# Altium PCB PCB_Template.PcbDoc (part 3 of 6) (continued)
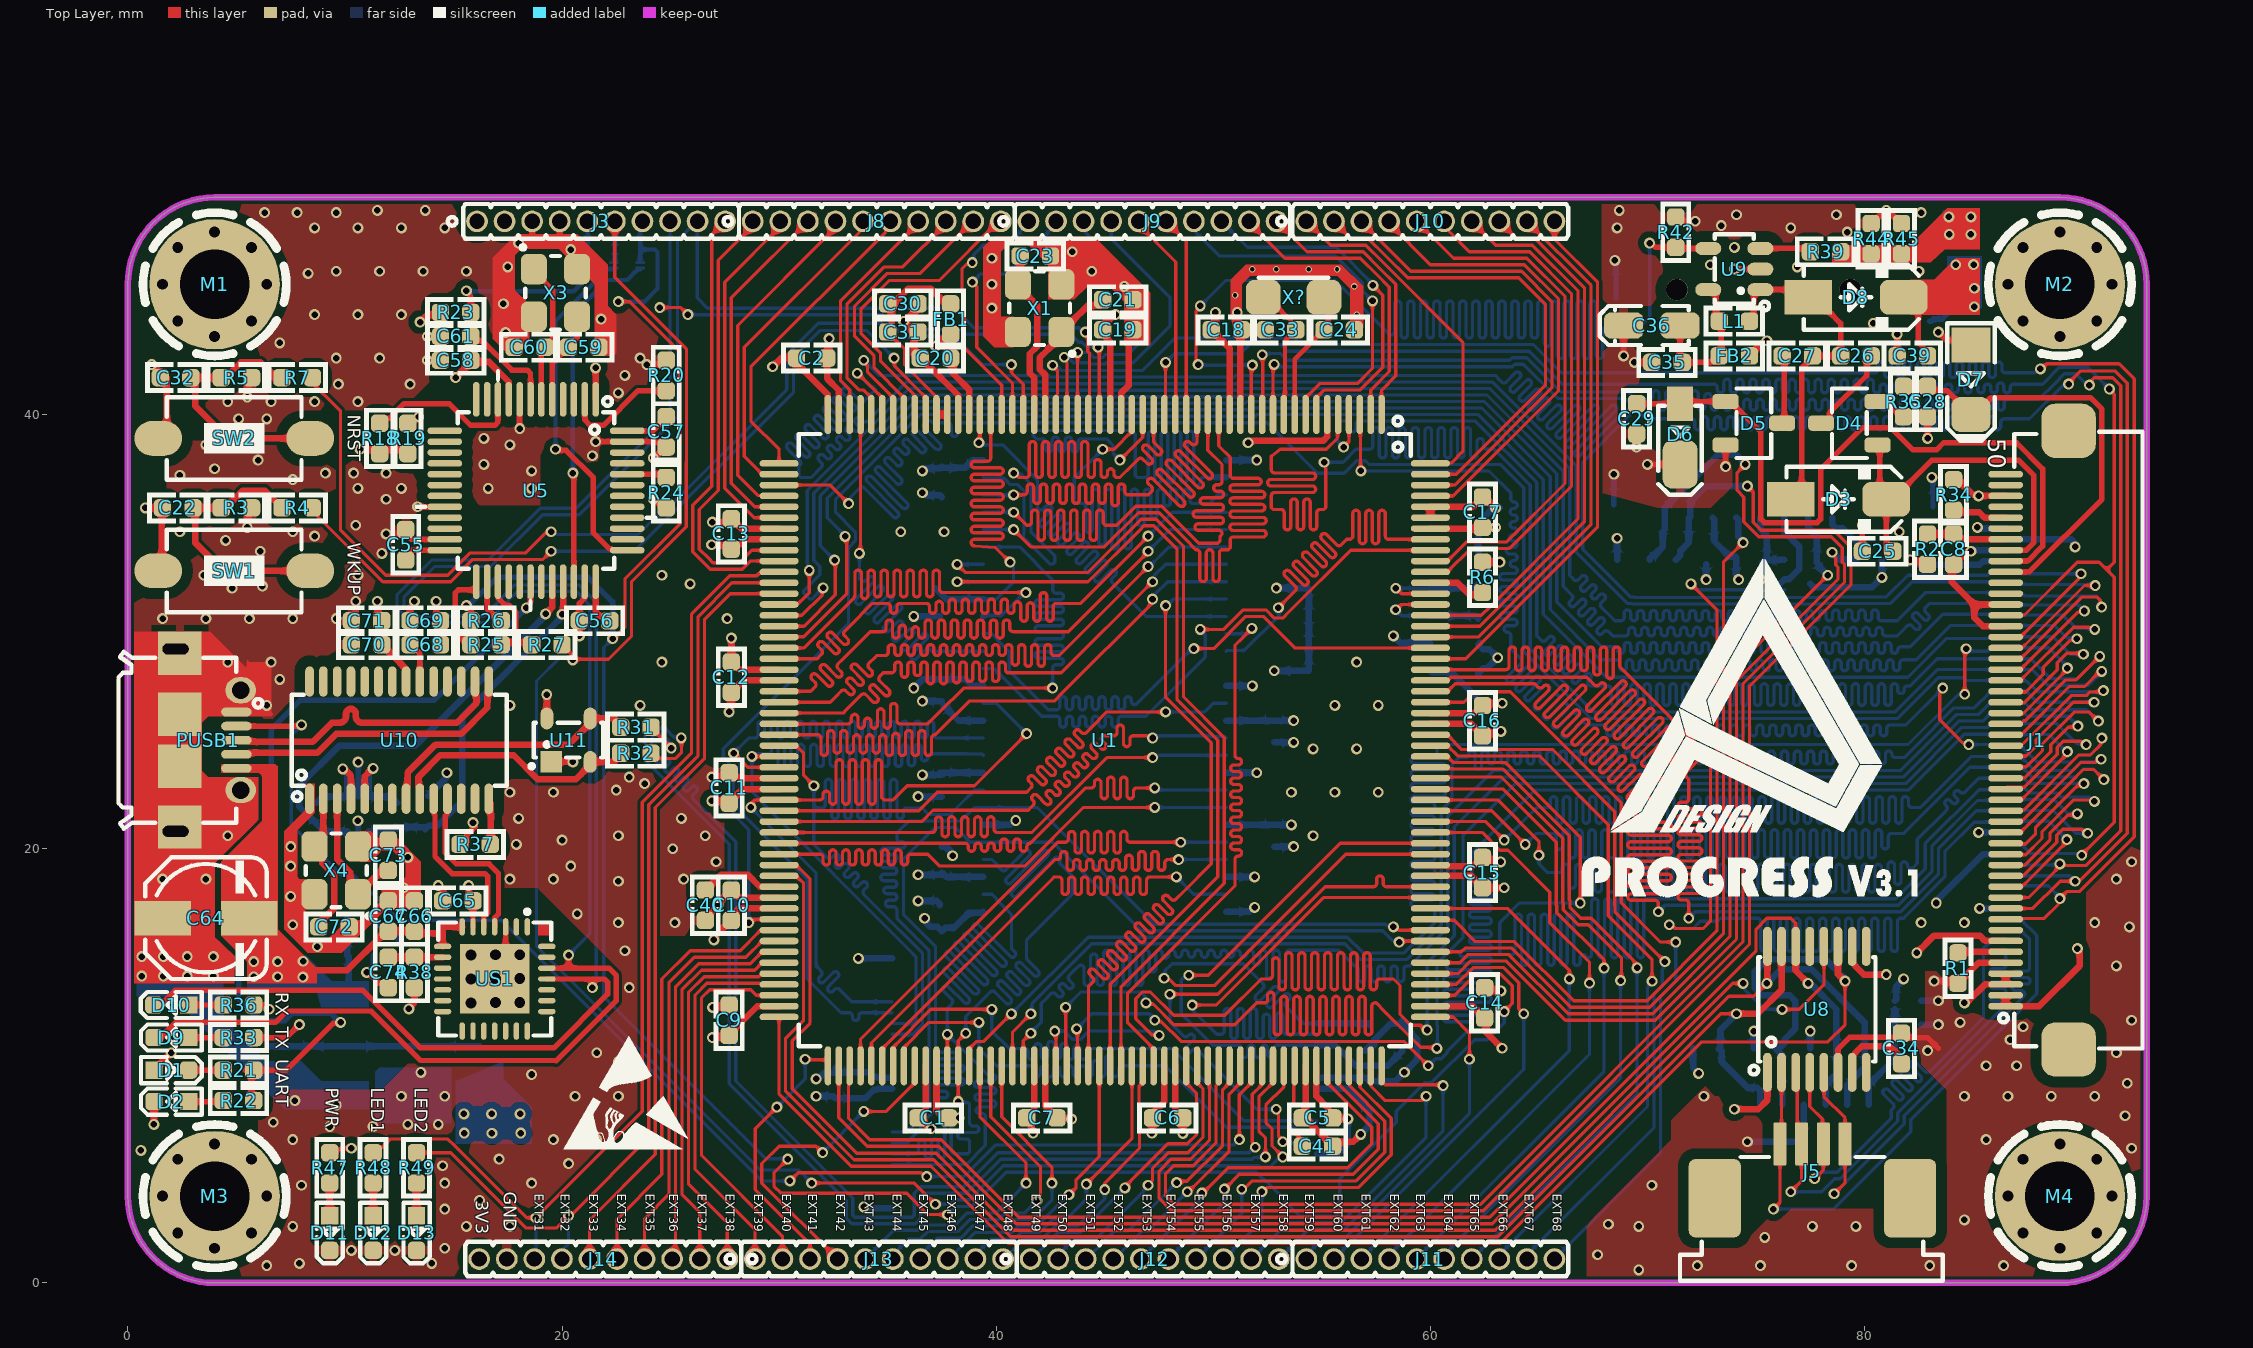
[diagram p0: Top Layer view]
## Nets (pads, with @x,y where several pads share a name; then routed paths per layer and width w, separated by ;. In a path a pad name is that pad's centre, name@x,y a point inside that pad or via, vN(x,y) a via of type N, cw(c..) or ccw(c..) an arc to the next point about the centre after c; other vN are vias at no path point) (continued)
  Bottom Layer w0.15: v1(63.4,20.4) 64.9,21.9 65.3,21.9 65.375,21.9 ccw(c65.375,22.05) 65.525,22.05 65.525,22.25 cw(c65.675,22.25) 65.825,22.25 65.825,21.322 ccw(c65.975,21.322) 66.125,21.322 66.125,22.25 cw(c66.275,22.25) 66.425,22.25 66.425,21.322 ccw(c66.575,21.322) 66.725,21.322 66.725,22.25 cw(c66.875,22.25) 67.025,22.25 67.025,21.322 ccw(c67.175,21.322) 67.325,21.322 67.325,22.25 cw(c67.475,22.25) 67.625,22.25 67.625,21.322 ccw(c67.775,21.322) 67.925,21.322 67.925,22.25 cw(c68.075,22.25) 68.225,22.25 68.225,21.322 ccw(c68.375,21.322) 68.525,21.322 68.525,22.25 cw(c68.675,22.25) 68.825,22.25 68.825,21.322 ccw(c68.975,21.322) 69.125,21.322 69.125,22.25 cw(c69.275,22.25) 69.425,22.25 69.425,21.322 ccw(c69.575,21.322) 69.725,21.322 69.725,22.25 cw(c69.875,22.25) 70.025,22.25 70.025,21.322 ccw(c70.175,21.322) 70.325,21.322 70.325,22.25 cw(c70.475,22.25) 70.625,22.25 70.625,21.322 ccw(c70.775,21.322) 70.925,21.322 70.925,22.25 cw(c71.075,22.25) 71.225,22.25 71.225,21.322 ccw(c71.375,21.322) 71.525,21.322 71.525,22.25 cw(c71.675,22.25) 71.825,22.25 71.825,21.322 ccw(c71.975,21.322) 72.125,21.322 72.125,22.25 cw(c72.275,22.25) 72.425,22.25 72.425,21.322 ccw(c72.575,21.322) 72.725,21.322 72.725,22.25 cw(c72.875,22.25) 73.025,22.25 73.025,21.322 ccw(c73.175,21.322) 73.325,21.322 73.325,22.25 cw(c73.475,22.25) 73.625,22.25 73.625,21.322 ccw(c73.775,21.322) 73.925,21.322 73.925,22.25 cw(c74.075,22.25) 74.225,22.25 74.225,21.322 ccw(c74.375,21.322) 74.525,21.322 74.525,22.25 cw(c74.675,22.25) 74.825,22.25 74.825,21.322 ccw(c74.975,21.322) 75.125,21.322 75.125,22.25 cw(c75.275,22.25) 75.425,22.25 75.425,21.322 ccw(c75.575,21.322) 75.725,21.322 75.725,22.25 cw(c75.875,22.25) 76.025,22.25 76.025,21.322 ccw(c76.175,21.322) 76.325,21.322 76.325,22.25 cw(c76.475,22.25) 76.625,22.25 76.625,21.322 ccw(c76.775,21.322) 76.925,21.322 76.925,22.25 cw(c77.075,22.25) 77.225,22.25 77.225,21.322 ccw(c77.375,21.322) 77.525,21.322 77.525,22.25 cw(c77.675,22.25) 77.825,22.25 77.825,21.322 ccw(c77.975,21.322) 78.125,21.322 78.125,22.25 cw(c78.275,22.25) 78.425,22.25 78.425,21.322 ccw(c78.575,21.322) 78.725,21.322 78.725,22.25 cw(c78.875,22.25) 79.025,22.25 79.025,21.322 ccw(c79.175,21.322) 79.325,21.322 79.325,22.25 cw(c79.475,22.25) 79.625,22.25 79.625,21.322 ccw(c79.775,21.322) 79.925,21.322 79.925,22.25 cw(c80.075,22.25) 80.225,22.25 80.225,21.322 ccw(c80.375,21.322) 80.525,21.322 80.525,22.25 cw(c80.675,22.25) 80.825,22.25 80.825,21.322 ccw(c80.975,21.322) 81.125,21.322 81.125,22.25 cw(c81.275,22.25) 81.425,22.25 81.425,21.322 ccw(c81.575,21.322) 81.725,21.322 81.725,22.25 cw(c81.875,22.25) 82.025,22.25 82.025,22.05 ccw(c82.175,22.05) 82.175,21.9 82.576,21.9 82.7,22.024 82.739,22.063 84.738,24.062 84.926,24.25 J2.22@86.5,24.25 ; J2.22@87.181,24.25 87.831,23.6 89.571,23.6 89.981,24.01 90.635,24.01 90.676,24.051 90.831,24.051 v1(90.897,24.118)
LCD_B2: J1.17 J2.23 U1.176 | length 98.8
  Top Layer w0.15: U1.176@60,21.75 62.822,21.75 v1(64.372,20.2) ; J1.17@86.471,20.721 87.152,20.721 89.425,22.995 89.425,22.997 90.078,23.65 90.561,23.65 v1(91.024,23.187)
  Bottom Layer w0.15: v1(64.372,20.2) 64.872,20.7 65.27,20.7 65.645,20.7 cw(c65.645,20.55) 65.795,20.55 65.795,20.118 ccw(c65.945,20.118) 66.095,20.118 66.095,20.727 cw(c66.245,20.727) 66.395,20.727 66.395,19.722 ccw(c66.545,19.722) 66.695,19.722 66.695,20.727 cw(c66.845,20.727) 66.995,20.727 66.995,19.722 ccw(c67.145,19.722) 67.295,19.722 67.295,20.727 cw(c67.445,20.727) 67.595,20.727 67.595,19.722 ccw(c67.745,19.722) 67.895,19.722 67.895,20.727 cw(c68.045,20.727) 68.195,20.727 68.195,19.722 ccw(c68.345,19.722) 68.495,19.722 68.495,20.727 cw(c68.645,20.727) 68.795,20.727 68.795,19.722 ccw(c68.945,19.722) 69.095,19.722 69.095,20.727 cw(c69.245,20.727) 69.395,20.727 69.395,19.722 ccw(c69.545,19.722) 69.695,19.722 69.695,20.727 cw(c69.845,20.727) 69.995,20.727 69.995,19.722 ccw(c70.145,19.722) 70.295,19.722 70.295,20.727 cw(c70.445,20.727) 70.595,20.727 70.595,19.722 ccw(c70.745,19.722) 70.895,19.722 70.895,20.727 cw(c71.045,20.727) 71.195,20.727 71.195,19.722 ccw(c71.345,19.722) 71.495,19.722 71.495,20.727 cw(c71.645,20.727) 71.795,20.727 71.795,19.722 ccw(c71.945,19.722) 72.095,19.722 72.095,20.727 cw(c72.245,20.727) 72.395,20.727 72.395,19.722 ccw(c72.545,19.722) 72.695,19.722 72.695,20.727 cw(c72.845,20.727) 72.995,20.727 72.995,19.722 ccw(c73.145,19.722) 73.295,19.722 73.295,20.727 cw(c73.445,20.727) 73.595,20.727 73.595,19.722 ccw(c73.745,19.722) 73.895,19.722 73.895,20.727 cw(c74.045,20.727) 74.195,20.727 74.195,19.722 ccw(c74.345,19.722) 74.495,19.722 74.495,20.727 cw(c74.645,20.727) 74.795,20.727 74.795,19.722 ccw(c74.945,19.722) 75.095,19.722 75.095,20.727 cw(c75.245,20.727) 75.395,20.727 75.395,19.722 ccw(c75.545,19.722) 75.695,19.722 75.695,20.727 cw(c75.845,20.727) 75.995,20.727 75.995,19.722 ccw(c76.145,19.722) 76.295,19.722 76.295,20.727 cw(c76.445,20.727) 76.595,20.727 76.595,19.722 ccw(c76.745,19.722) 76.895,19.722 76.895,20.727 cw(c77.045,20.727) 77.195,20.727 77.195,19.722 ccw(c77.345,19.722) 77.495,19.722 77.495,20.727 cw(c77.645,20.727) 77.795,20.727 77.795,19.722 ccw(c77.945,19.722) 78.095,19.722 78.095,20.727 cw(c78.245,20.727) 78.395,20.727 78.395,19.722 ccw(c78.545,19.722) 78.695,19.722 78.695,20.727 cw(c78.845,20.727) 78.995,20.727 78.995,19.722 ccw(c79.145,19.722) 79.295,19.722 79.295,20.727 cw(c79.445,20.727) 79.595,20.727 79.595,19.722 ccw(c79.745,19.722) 79.895,19.722 79.895,20.727 cw(c80.045,20.727) 80.195,20.727 80.195,19.722 ccw(c80.345,19.722) 80.495,19.722 80.495,20.727 cw(c80.645,20.727) 80.795,20.727 80.795,20.142 ccw(c80.945,20.142) 81.095,20.142 81.095,20.55 cw(c81.245,20.55) 81.245,20.7 81.8,20.7 81.9,20.8 84.85,23.75 J2.23@86.5,23.75 ; J2.23@86.529,23.721 87.285,23.721 87.606,23.4 ; 87.607,23.4 87.707,23.3 89.695,23.3 90.062,23.667 90.545,23.667 v1(91.024,23.187)
LCD_B3: J1.16 J2.24 U1.177 | length 99.8
  Top Layer w0.15: U1.177@60,22.25 60.003,22.246 63.093,22.246 65,20.339 v1(65,19.7) ; J1.16@86.5,20.25 86.471,20.221 87.421,20.221 87.871,20.671 87.871,20.971 v1@89.871,22.971
  Bottom Layer w0.15: v1(65,19.7) 65,19.301 65.401,18.9 65.6,18.9 65.928,18.9 ccw(c65.928,19.05) 66.078,19.05 66.078,19.141 cw(c66.228,19.141) 66.378,19.141 66.378,18.325 ccw(c66.528,18.325) 66.678,18.325 66.678,19.131 cw(c66.828,19.131) 66.978,19.131 66.978,18.15 ccw(c67.128,18.15) 67.278,18.15 67.278,19.131 cw(c67.428,19.131) 67.578,19.131 67.578,18.15 ccw(c67.728,18.15) 67.878,18.15 67.878,19.131 cw(c68.028,19.131) 68.178,19.131 68.178,18.15 ccw(c68.328,18.15) 68.478,18.15 68.478,19.131 cw(c68.628,19.131) 68.778,19.131 68.778,18.15 ccw(c68.928,18.15) 69.078,18.15 69.078,19.131 cw(c69.228,19.131) 69.378,19.131 69.378,18.15 ccw(c69.528,18.15) 69.678,18.15 69.678,19.131 cw(c69.828,19.131) 69.978,19.131 69.978,18.15 ccw(c70.128,18.15) 70.278,18.15 70.278,19.131 cw(c70.428,19.131) 70.578,19.131 70.578,18.15 ccw(c70.728,18.15) 70.878,18.15 70.878,19.131 cw(c71.028,19.131) 71.178,19.131 71.178,18.15 ccw(c71.328,18.15) 71.478,18.15 71.478,19.131 cw(c71.628,19.131) 71.778,19.131 71.778,18.15 ccw(c71.928,18.15) 72.078,18.15 72.078,19.131 cw(c72.228,19.131) 72.378,19.131 72.378,18.15 ccw(c72.528,18.15) 72.678,18.15 72.678,19.131 cw(c72.828,19.131) 72.978,19.131 72.978,18.15 ccw(c73.128,18.15) 73.278,18.15 73.278,19.131 cw(c73.428,19.131) 73.578,19.131 73.578,18.15 ccw(c73.728,18.15) 73.878,18.15 73.878,19.131 cw(c74.028,19.131) 74.178,19.131 74.178,18.15 ccw(c74.328,18.15) 74.478,18.15 74.478,19.131 cw(c74.628,19.131) 74.778,19.131 74.778,18.15 ccw(c74.928,18.15) 75.078,18.15 75.078,19.131 cw(c75.228,19.131) 75.378,19.131 75.378,18.15 ccw(c75.528,18.15) 75.678,18.15 75.678,19.131 cw(c75.828,19.131) 75.978,19.131 75.978,18.15 ccw(c76.128,18.15) 76.278,18.15 76.278,19.131 cw(c76.428,19.131) 76.578,19.131 76.578,18.15 ccw(c76.728,18.15) 76.878,18.15 76.878,19.131 cw(c77.028,19.131) 77.178,19.131 77.178,18.15 ccw(c77.328,18.15) 77.478,18.15 77.478,19.131 cw(c77.628,19.131) 77.778,19.131 77.778,18.15 ccw(c77.928,18.15) 78.078,18.15 78.078,19.131 cw(c78.228,19.131) 78.378,19.131 78.378,18.15 ccw(c78.528,18.15) 78.678,18.15 78.678,19.131 cw(c78.828,19.131) 78.978,19.131 78.978,18.15 ccw(c79.128,18.15) 79.278,18.15 79.278,19.131 cw(c79.428,19.131) 79.578,19.131 79.578,18.15 ccw(c79.728,18.15) 79.878,18.15 79.878,19.131 cw(c80.028,19.131) 80.178,19.131 80.178,18.15 ccw(c80.328,18.15) 80.478,18.15 80.478,19.131 cw(c80.628,19.131) 80.778,19.131 80.778,18.15 ccw(c80.928,18.15) 81.078,18.15 81.078,19.25 cw(c81.228,19.25) 81.378,19.25 81.378,18.503 ccw(c81.528,18.503) 81.678,18.503 81.678,19.25 cw(c81.828,19.25) 81.978,19.25 81.978,19.24 ccw(c82.128,19.24) 82.234,19.134 82.428,19.328 82.428,20.428 83.709,21.709 83.762,21.762 ccw(c83.656,21.868) 83.762,21.974 83.736,22 cw(c83.842,22.106) 83.736,22.212 cw(c83.842,22.106) 83.948,22.212 84.039,22.121 ccw(c84.146,22.227) 84.252,22.121 ccw(c84.146,22.227) 84.252,22.333 84.16,22.424 cw(c84.266,22.53) 84.16,22.636 cw(c84.266,22.53) 84.373,22.636 84.398,22.61 ccw(c84.504,22.716) 84.61,22.61 85,23 85.25,23.25 J2.24@86.5,23.25 ; J2.24@86.529,23.221 87.285,23.221 87.314,23.193 87.389,23.193 87.519,23.063 87.583,23 89.819,23 89.832,23.013 v1@89.887,23.013
  other v1: 90.1,23
LCD_B4: J1.15 J2.25 U1.181 | length 98.4
  Top Layer w0.15: U1.181@60,24.25 60.78,24.25 61.055,23.975 63.448,23.975 66.9,20.523 v1(66.9,17.5) ; J1.15@86.471,19.721 87.421,19.721 88.171,20.471 88.171,20.792 89.625,22.246 90.327,22.246 90.328,22.245 90.523,22.245 v1(90.59,22.178)
  Bottom Layer w0.15: v1(66.9,17.5) 64.1,17.5 63.2,16.6 63.2,15.215 63.288,15.127 63.5,15.127 63.75,15.127 ccw(c63.75,15.277) 63.9,15.277 63.9,16.838 cw(c64.05,16.838) 64.2,16.838 64.2,14.777 ccw(c64.35,14.777) 64.5,14.777 64.5,16.838 cw(c64.65,16.838) 64.8,16.838 64.8,14.777 ccw(c64.95,14.777) 65.1,14.777 65.1,16.838 cw(c65.25,16.838) 65.4,16.838 65.4,14.777 ccw(c65.55,14.777) 65.7,14.777 65.7,16.838 cw(c65.85,16.838) 66,16.838 66,14.777 ccw(c66.15,14.777) 66.3,14.777 66.3,16.838 cw(c66.45,16.838) 66.6,16.838 66.6,14.777 ccw(c66.75,14.777) 66.9,14.777 66.9,14.977 cw(c67.05,14.977) 67.05,15.127 67.125,15.127 ccw(c67.275,15.127) 67.425,15.127 67.425,17.55 cw(c67.575,17.55) 67.725,17.55 67.725,15.127 ccw(c67.875,15.127) 68.025,15.127 68.025,17.55 cw(c68.175,17.55) 68.325,17.55 68.325,15.127 ccw(c68.475,15.127) 68.625,15.127 68.625,17.55 cw(c68.775,17.55) 68.925,17.55 68.925,15.127 ccw(c69.075,15.127) 69.225,15.127 69.225,17.55 cw(c69.375,17.55) 69.525,17.55 69.525,15.127 ccw(c69.675,15.127) 69.825,15.127 69.825,17.55 cw(c69.975,17.55) 69.975,17.7 70.6,17.7 81.427,17.7 82.8,19.073 82.8,20.245 85.277,22.721 86.471,22.721 J2.25@86.5,22.75 ; J2.25@86.5,22.763 87.396,22.763 87.596,22.563 88.862,22.563 89.045,22.38 90.327,22.38 90.529,22.178 v1(90.59,22.178)
LCD_B5: J1.14 J2.26 U1.187 | length 98.5
  Top Layer w0.15: U1.187@60,27.25 60.787,27.25 61.138,27.6 64.8,27.6 64.9,27.5 64.953,27.447 ccw(c65.059,27.553) 65.165,27.447 65.212,27.494 cw(c65.318,27.388) 65.424,27.494 cw(c65.318,27.388) 65.424,27.282 64.862,26.72 ccw(c64.969,26.614) 64.862,26.508 ccw(c64.969,26.614) 65.075,26.508 66.061,27.494 cw(c66.167,27.388) 66.273,27.494 cw(c66.167,27.388) 66.273,27.282 65.287,26.296 ccw(c65.393,26.19) 65.287,26.084 ccw(c65.393,26.19) 65.499,26.084 66.909,27.494 cw(c67.015,27.388) 67.121,27.494 cw(c67.015,27.388) 67.121,27.282 65.711,25.871 ccw(c65.817,25.765) 65.711,25.659 ccw(c65.817,25.765) 65.923,25.659 66.619,26.355 cw(c66.725,26.249) 66.831,26.355 cw(c66.725,26.249) 66.831,26.143 66.135,25.447 ccw(c66.241,25.341) 66.135,25.235 ccw(c66.241,25.341) 66.347,25.235 67.044,25.931 cw(c67.15,25.825) 67.256,25.931 cw(c67.15,25.825) 67.256,25.719 66.56,25.023 ccw(c66.666,24.917) 66.56,24.811 ccw(c66.666,24.917) 66.772,24.811 67.468,25.507 cw(c67.574,25.401) 67.68,25.507 cw(c67.574,25.401) 67.68,25.295 66.984,24.599 ccw(c67.09,24.493) 66.984,24.387 ccw(c67.09,24.493) 67.196,24.387 67.892,25.083 cw(c67.998,24.977) 68.104,25.083 cw(c67.998,24.977) 68.104,24.871 67.408,24.174 ccw(c67.514,24.068) 67.408,23.962 ccw(c67.514,24.068) 67.62,23.962 68.316,24.658 cw(c68.422,24.552) 68.528,24.658 cw(c68.422,24.552) 68.528,24.446 67.832,23.75 ccw(c67.938,23.644) 67.832,23.538 ccw(c67.938,23.644) 68.044,23.538 68.741,24.234 cw(c68.847,24.128) 68.953,24.234 cw(c68.847,24.128) 68.953,24.022 68.257,23.326 ccw(c68.363,23.22) 68.257,23.114 ccw(c68.363,23.22) 68.469,23.114 69.165,23.81 cw(c69.271,23.704) 69.377,23.81 cw(c69.271,23.704) 69.377,23.598 68.681,22.902 ccw(c68.787,22.796) 68.681,22.689 ccw(c68.787,22.796) 68.893,22.689 69.589,23.386 cw(c69.695,23.28) 69.801,23.386 cw(c69.695,23.28) 69.801,23.174 69.105,22.477 ccw(c69.211,22.371) 69.105,22.265 ccw(c69.211,22.371) 69.317,22.265 70.013,22.961 cw(c70.119,22.855) 70.226,22.961 cw(c70.119,22.855) 70.226,22.749 70.044,22.568 ccw(c70.15,22.462) 70.044,22.356 70.407,21.993 70.453,21.947 70.5,21.9 70.5,21.675 cw(c70.35,21.675) 70.35,21.525 69.239,21.525 ccw(c69.239,21.375) 69.239,21.225 70.95,21.225 cw(c70.95,21.075) 70.95,20.925 69.239,20.925 ccw(c69.239,20.775) 69.239,20.625 70.95,20.625 cw(c70.95,20.475) 70.95,20.325 69.239,20.325 ccw(c69.239,20.175) 69.239,20.025 70.95,20.025 cw(c70.95,19.875) 70.95,19.725 69.239,19.725 ccw(c69.239,19.575) 69.239,19.425 70.95,19.425 cw(c70.95,19.275) 70.95,19.125 69.239,19.125 ccw(c69.239,18.975) 69.239,18.825 70.95,18.825 cw(c70.95,18.675) 70.95,18.525 69.239,18.525 ccw(c69.239,18.375) 69.239,18.225 70.95,18.225 cw(c70.95,18.075) 70.95,17.925 69.239,17.925 ccw(c69.239,17.775) 69.239,17.625 70.35,17.625 cw(c70.35,17.475) 70.5,17.475 70.5,17.4 v1(70.5,17.1) ; J1.14@86.474,19.224 87.349,19.224 88.546,20.422 88.546,20.742 89.354,21.55 v1@89.75,21.55
  Bottom Layer w0.15: v1(70.5,17.1) 70.8,17.4 81.551,17.4 83.1,18.949 83.1,20.121 85.201,22.221 86.471,22.221 J2.26@86.5,22.25 ; J2.26@86.5,22.263 88.737,22.263 89.387,21.613 v1@89.787,21.613
  other v1: 89.8,21.6
LCD_B6: J1.13 J2.27 U1.188 | length 98.5
  Top Layer w0.15: U1.188@60,27.75 60.791,27.75 60.941,27.9 67.2,27.9 67.5,27.6 67.553,27.547 ccw(c67.659,27.653) 67.765,27.547 67.814,27.596 cw(c67.921,27.49) 68.027,27.596 cw(c67.921,27.49) 68.027,27.384 67.229,26.587 ccw(c67.335,26.481) 67.229,26.375 ccw(c67.335,26.481) 67.441,26.375 68.765,27.698 cw(c68.871,27.592) 68.977,27.698 cw(c68.871,27.592) 68.977,27.486 67.653,26.162 ccw(c67.76,26.056) 67.653,25.95 ccw(c67.76,26.056) 67.866,25.95 69.189,27.274 cw(c69.296,27.168) 69.402,27.274 cw(c69.296,27.168) 69.402,27.062 68.078,25.738 ccw(c68.184,25.632) 68.078,25.526 ccw(c68.184,25.632) 68.29,25.526 69.614,26.85 cw(c69.72,26.744) 69.826,26.85 cw(c69.72,26.744) 69.826,26.638 68.502,25.314 ccw(c68.608,25.208) 68.502,25.102 ccw(c68.608,25.208) 68.714,25.102 70.038,26.426 cw(c70.144,26.32) 70.25,26.426 cw(c70.144,26.32) 70.25,26.214 68.926,24.89 ccw(c69.032,24.784) 68.926,24.678 ccw(c69.032,24.784) 69.138,24.678 70.462,26.001 cw(c70.568,25.895) 70.674,26.001 cw(c70.568,25.895) 70.674,25.789 69.351,24.465 ccw(c69.457,24.359) 69.351,24.253 ccw(c69.457,24.359) 69.563,24.253 70.886,25.577 cw(c70.993,25.471) 71.099,25.577 cw(c70.993,25.471) 71.099,25.365 69.775,24.041 ccw(c69.881,23.935) 69.775,23.829 ccw(c69.881,23.935) 69.987,23.829 71.311,25.153 cw(c71.417,25.047) 71.523,25.153 cw(c71.417,25.047) 71.523,24.941 70.199,23.617 ccw(c70.305,23.511) 70.199,23.405 ccw(c70.305,23.511) 70.411,23.405 71.735,24.729 cw(c71.841,24.623) 71.947,24.729 cw(c71.841,24.623) 71.947,24.516 70.623,23.193 ccw(c70.729,23.087) 70.623,22.98 ccw(c70.729,23.087) 70.835,22.98 72.159,24.304 cw(c72.265,24.198) 72.371,24.304 cw(c72.265,24.198) 72.371,24.092 71.796,23.516 ccw(c71.902,23.41) 71.796,23.304 71.9,23.2 71.9,22.8 71.9,22.289 cw(c71.75,22.289) 71.75,22.139 71.55,22.139 ccw(c71.55,21.989) 71.55,21.839 72.359,21.839 cw(c72.359,21.689) 72.359,21.539 71.55,21.539 ccw(c71.55,21.389) 71.55,21.239 72.359,21.239 cw(c72.359,21.089) 72.359,20.939 71.55,20.939 ccw(c71.55,20.789) 71.55,20.639 72.359,20.639 cw(c72.359,20.489) 72.359,20.339 71.55,20.339 ccw(c71.55,20.189) 71.55,20.039 72.359,20.039 cw(c72.359,19.889) 72.359,19.739 71.55,19.739 ccw(c71.55,19.589) 71.55,19.439 72.359,19.439 cw(c72.359,19.289) 72.359,19.139 71.55,19.139 ccw(c71.55,18.989) 71.55,18.839 72.359,18.839 cw(c72.359,18.689) 72.359,18.539 71.55,18.539 ccw(c71.55,18.389) 71.55,18.239 72.359,18.239 cw(c72.359,18.089) 72.359,17.939 71.55,17.939 ccw(c71.55,17.789) 71.55,17.639 71.75,17.639 cw(c71.75,17.489) 71.9,17.489 71.9,17.414 v1(71.9,16.8) ; J1.13@86.5,18.75 86.529,18.779 87.327,18.779 88.846,20.298 88.846,20.618 89.124,20.896 90.01,20.896 90.195,20.711 v1(90.273,20.711)
  Bottom Layer w0.15: v1(71.9,16.8) 72.2,17.1 81.676,17.1 83.4,18.824 83.4,19.996 85.154,21.75 J2.27@86.5,21.75 ; J2.27@86.5,21.763 88.68,21.763 89.731,20.711 v1(90.273,20.711)
LCD_B7: J1.12 J2.28 U1.189 | length 98.6
  Top Layer w0.15: U1.189@60,28.25 63.4,28.25 63.475,28.25 ccw(c63.475,28.4) 63.625,28.4 63.625,29.145 cw(c63.775,29.145) 63.925,29.145 63.925,28.35 ccw(c64.075,28.35) 64.225,28.35 64.225,29.145 cw(c64.375,29.145) 64.525,29.145 64.525,28.35 ccw(c64.675,28.35) 64.825,28.35 64.825,29.145 cw(c64.975,29.145) 65.125,29.145 65.125,28.35 ccw(c65.275,28.35) 65.425,28.35 65.425,29.145 cw(c65.575,29.145) 65.725,29.145 65.725,28.35 ccw(c65.875,28.35) 66.025,28.35 66.025,29.145 cw(c66.175,29.145) 66.325,29.145 66.325,28.35 ccw(c66.475,28.35) 66.625,28.35 66.625,29.145 cw(c66.775,29.145) 66.925,29.145 66.925,28.35 ccw(c67.075,28.35) 67.225,28.35 67.225,29.145 cw(c67.375,29.145) 67.525,29.145 67.525,28.149 ccw(c67.675,28.149) 67.825,28.149 67.825,29.145 cw(c67.975,29.145) 68.125,29.145 68.125,27.984 ccw(c68.275,27.984) 68.425,27.984 68.425,29.145 cw(c68.575,29.145) 68.725,29.145 68.725,28.437 ccw(c68.875,28.437) 68.769,28.331 69.3,27.8 72.9,24.2 72.9,16.663 72.562,16.325 71.263,16.325 71.088,16.5 v1(71,16.5) ; J1.12@86.5,18.25 87.25,18.25 89.204,20.204 89.204,20.304 v1@89.271,20.371
  Bottom Layer w0.15: v1(71,16.5) 71.088,16.5 71.263,16.325 72.097,16.325 72.426,16.654 73.217,16.654 73.363,16.8 74.694,16.8 75.069,16.8 cw(c75.069,16.65) 75.219,16.65 75.219,15.425 ccw(c75.369,15.425) 75.519,15.425 75.519,16.65 cw(c75.669,16.65) 75.819,16.65 75.819,15.425 ccw(c75.969,15.425) 76.119,15.425 76.119,16.65 cw(c76.269,16.65) 76.419,16.65 76.419,15.425 ccw(c76.569,15.425) 76.719,15.425 76.719,16.65 cw(c76.869,16.65) 77.019,16.65 77.019,15.425 ccw(c77.169,15.425) 77.319,15.425 77.319,16.65 cw(c77.469,16.65) 77.619,16.65 77.619,15.425 ccw(c77.769,15.425) 77.919,15.425 77.919,16.65 cw(c78.069,16.65) 78.219,16.65 78.219,15.425 ccw(c78.369,15.425) 78.519,15.425 78.519,16.65 cw(c78.669,16.65) 78.819,16.65 78.819,15.417 ccw(c78.969,15.417) 79.119,15.417 79.119,16.65 cw(c79.269,16.65) 79.419,16.65 79.419,15.417 ccw(c79.569,15.417) 79.719,15.417 79.719,16.65 cw(c79.869,16.65) 80.019,16.65 80.019,15.417 ccw(c80.169,15.417) 80.319,15.417 80.319,16.65 cw(c80.469,16.65) 80.619,16.65 80.619,15.417 ccw(c80.769,15.417) 80.919,15.417 80.919,16.65 cw(c81.069,16.65) 81.219,16.65 81.219,15.417 ccw(c81.369,15.417) 81.519,15.417 81.519,16.65 cw(c81.669,16.65) 81.669,16.8 81.8,16.8 81.9,16.9 83.7,18.7 83.7,19.872 85.053,21.225 86.475,21.225 J2.28@86.5,21.25 ; J2.28@86.5,21.263 88.48,21.263 v1@89.309,20.434
  other v1: 89.321,20.421
LCD_DE: J1.9 J2.34 U1.31 | length 97
  Top Layer w0.15: v1(42.6,42.269) 42.6,42.229 42.823,42.006 42.823,40.946 42.804,40.926 42.804,40.91 42.779,40.885 42.779,40.029 U1.31@42.75,40 ; J1.9@86.5,16.75 86.529,16.779 87.285,16.779 87.296,16.789 88.273,16.789 88.933,17.449 88.933,17.633 v1(89,17.7) 89,17.716 89.309,18.025 89.897,18.025 92.423,20.551 92.423,41.64 91.723,42.34 88.386,42.34 88.146,42.1 v1(88.1,42.1)
  Bottom Layer w0.15: v1(42.6,42.269) 42.667,42.202 42.825,42.202 43.003,42.023 46.735,42.023 48.24,43.528 53.231,43.528 53.235,43.525 53.744,43.525 54.044,43.225 64.738,43.225 66.038,41.925 80.4,41.925 80.475,41.925 ccw(c80.475,42.075) 80.625,42.075 80.625,42.275 cw(c80.775,42.275) 80.925,42.275 80.925,41.85 ccw(c81.075,41.85) 81.225,41.85 81.225,42.275 cw(c81.375,42.275) 81.525,42.275 81.525,41.85 ccw(c81.675,41.85) 81.825,41.85 81.825,42.275 cw(c81.975,42.275) 82.125,42.275 82.125,41.85 ccw(c82.275,41.85) 82.425,41.85 82.425,42.275 cw(c82.575,42.275) 82.725,42.275 82.725,41.85 ccw(c82.875,41.85) 83.025,41.85 83.025,42.275 cw(c83.175,42.275) 83.325,42.275 83.325,41.85 ccw(c83.475,41.85) 83.625,41.85 83.625,42.275 cw(c83.775,42.275) 83.925,42.275 83.925,41.85 ccw(c84.075,41.85) 84.225,41.85 84.225,42.275 cw(c84.375,42.275) 84.525,42.275 84.525,41.85 ccw(c84.675,41.85) 84.825,41.85 84.825,42.275 cw(c84.975,42.275) 85.125,42.275 85.125,41.85 ccw(c85.275,41.85) 85.425,41.85 85.425,42.275 cw(c85.575,42.275) 85.725,42.275 85.725,41.85 ccw(c85.875,41.85) 86.025,41.85 86.025,42.275 cw(c86.175,42.275) 86.325,42.275 86.325,42.075 ccw(c86.475,42.075) 86.475,41.925 87,41.925 87.837,41.925 88.012,42.1 v1(88.1,42.1) ; J2.34@86.5,18.25 86.529,18.279 87.285,18.279 87.296,18.29 88.472,18.29 89,17.762 v1(89,17.7)
LCD_DLCK: J1.37 J2.30 U1.21 | length 97.2
  Top Layer w0.15: U1.21@47.75,40 47.779,40.029 47.779,40.885 47.8,40.906 v1(47.8,42.4) ; J1.37@86.5,30.75 J1.37@87.18,30.75 ; J1.37@87.18,30.765 87.365,30.765 89.8,33.2 90.8,33.2 91.15,32.85 ; v1(90,19.7) 90,19.724 91.5,21.224 91.5,27.56 91.5,32.5 91.15,32.85 ; v1(91.276,41.176) 91.276,41.137 91.5,40.913 91.5,33.2 91.15,32.85
  Bottom Layer w0.15: v1(47.8,42.4) 48.2,42.8 51.243,42.8 51.671,43.228 53.107,43.228 53.415,42.921 64.555,42.921 66.076,41.4 72.688,41.4 73.063,41.4 cw(c73.063,41.25) 73.213,41.25 73.213,41.15 ccw(c73.363,41.15) 73.513,41.15 73.513,41.475 cw(c73.663,41.475) 73.813,41.475 73.813,41.15 ccw(c73.963,41.15) 74.113,41.15 74.113,41.475 cw(c74.263,41.475) 74.413,41.475 74.413,41.15 ccw(c74.563,41.15) 74.713,41.15 74.713,41.475 cw(c74.863,41.475) 75.013,41.475 75.013,41.15 ccw(c75.163,41.15) 75.313,41.15 75.313,41.475 cw(c75.463,41.475) 75.613,41.475 75.613,41.15 ccw(c75.763,41.15) 75.913,41.15 75.913,41.475 cw(c76.063,41.475) 76.213,41.475 76.213,41.15 ccw(c76.363,41.15) 76.513,41.15 76.513,41.475 cw(c76.663,41.475) 76.813,41.475 76.813,41.15 ccw(c76.963,41.15) 77.113,41.15 77.113,41.475 cw(c77.263,41.475) 77.413,41.475 77.413,41.15 ccw(c77.563,41.15) 77.713,41.15 77.713,41.475 cw(c77.863,41.475) 78.013,41.475 78.013,41.15 ccw(c78.163,41.15) 78.313,41.15 78.313,41.475 cw(c78.463,41.475) 78.613,41.475 78.613,41.15 ccw(c78.763,41.15) 78.913,41.15 78.913,41.475 cw(c79.063,41.475) 79.213,41.475 79.213,41.15 ccw(c79.363,41.15) 79.513,41.15 79.513,41.475 cw(c79.663,41.475) 79.813,41.475 79.813,41.15 ccw(c79.963,41.15) 80.113,41.15 80.113,41.475 cw(c80.263,41.475) 80.413,41.475 80.413,41.15 ccw(c80.563,41.15) 80.713,41.15 80.713,41.253 cw(c80.863,41.253) 81.013,41.253 81.013,41.15 ccw(c81.163,41.15) 81.313,41.15 81.313,41.253 cw(c81.463,41.253) 81.613,41.253 81.613,41.15 ccw(c81.763,41.15) 81.913,41.15 81.913,41.254 cw(c82.063,41.254) 82.213,41.254 82.213,41.15 ccw(c82.363,41.15) 82.513,41.15 82.513,41.254 cw(c82.663,41.254) 82.813,41.254 82.813,41.15 ccw(c82.963,41.15) 83.113,41.15 83.113,41.254 cw(c83.263,41.254) 83.413,41.254 83.413,41.15 ccw(c83.562,41.15) 83.712,41.15 83.712,41.254 cw(c83.862,41.254) 84.012,41.254 84.012,41.15 ccw(c84.162,41.15) 84.312,41.15 84.312,41.254 cw(c84.462,41.254) 84.612,41.254 84.612,41.15 ccw(c84.762,41.15) 84.912,41.15 84.912,41.254 cw(c85.062,41.254) 85.212,41.254 85.212,41.15 ccw(c85.362,41.15) 85.512,41.15 85.512,41.254 cw(c85.662,41.254) 85.812,41.254 85.812,41.15 ccw(c85.962,41.15) 86.112,41.15 86.112,41.307 cw(c86.262,41.307) 86.412,41.307 86.412,41.15 ccw(c86.562,41.15) 86.712,41.15 86.712,41.25 cw(c86.862,41.25) 86.862,41.4 87.2,41.4 88.2,41.4 88.975,42.175 90.278,42.175 v1(91.276,41.176) ; J2.30@87.13,20.3 87.655,19.775 89.737,19.775 89.745,19.767 89.933,19.767 v1(90,19.7)
LCD_G0: J1.27 J2.13 U1.4 | length 99.3
  Top Layer w0.15: v1(56,38.5) 56,38.513 56.25,38.763 U1.4@56.25,40 ; J1.27@87.18,25.75 87.33,25.9 87.399,25.9 89.272,27.773 89.743,27.773 v1(90.829,28.86)
  Bottom Layer w0.15: v1(56,38.5) 55.7,38.8 55.7,39.612 55.744,39.656 55.788,39.7 56.119,39.7 cw(c56.119,39.55) 56.269,39.55 56.269,39.35 ccw(c56.419,39.35) 56.569,39.35 56.569,39.55 cw(c56.719,39.55) 56.719,39.7 57.1,39.7 62.073,39.7 64.9,36.873 64.9,29.8 65.05,29.65 65.103,29.597 ccw(c65.209,29.703) 65.315,29.597 65.457,29.738 cw(c65.563,29.632) 65.669,29.738 cw(c65.563,29.632) 65.669,29.526 65.289,29.147 ccw(c65.396,29.041) 65.289,28.935 ccw(c65.396,29.041) 65.502,28.935 65.881,29.314 cw(c65.987,29.208) 66.093,29.314 cw(c65.987,29.208) 66.093,29.102 65.714,28.723 ccw(c65.82,28.617) 65.714,28.511 ccw(c65.82,28.617) 65.926,28.511 66.305,28.89 cw(c66.411,28.784) 66.517,28.89 cw(c66.411,28.784) 66.517,28.678 66.138,28.298 ccw(c66.244,28.192) 66.138,28.086 ccw(c66.244,28.192) 66.35,28.086 66.729,28.466 cw(c66.835,28.36) 66.942,28.466 cw(c66.835,28.36) 66.942,28.253 66.562,27.874 ccw(c66.668,27.768) 66.562,27.662 ccw(c66.668,27.768) 66.774,27.662 67.154,28.041 cw(c67.26,27.935) 67.366,28.041 cw(c67.26,27.935) 67.366,27.829 67.293,27.756 ccw(c67.399,27.65) 67.399,27.5 67.8,27.5 68.175,27.5 cw(c68.175,27.35) 68.325,27.35 68.325,26.75 ccw(c68.475,26.75) 68.625,26.75 68.625,27.45 cw(c68.775,27.45) 68.925,27.45 68.925,26.75 ccw(c69.075,26.75) 69.225,26.75 69.225,27.45 cw(c69.375,27.45) 69.525,27.45 69.525,26.75 ccw(c69.675,26.75) 69.825,26.75 69.825,27.45 cw(c69.975,27.45) 70.125,27.45 70.125,26.75 ccw(c70.275,26.75) 70.425,26.75 70.425,27.45 cw(c70.575,27.45) 70.725,27.45 70.725,26.75 ccw(c70.875,26.75) 71.025,26.75 71.025,27.45 cw(c71.175,27.45) 71.325,27.45 71.325,26.75 ccw(c71.475,26.75) 71.625,26.75 71.625,27.45 cw(c71.775,27.45) 71.925,27.45 71.925,26.75 ccw(c72.075,26.75) 72.225,26.75 72.225,27.45 cw(c72.375,27.45) 72.525,27.45 72.525,26.75 ccw(c72.675,26.75) 72.825,26.75 72.825,27.45 cw(c72.975,27.45) 73.125,27.45 73.125,26.75 ccw(c73.275,26.75) 73.425,26.75 73.425,27.45 cw(c73.575,27.45) 73.725,27.45 73.725,26.75 ccw(c73.875,26.75) 74.025,26.75 74.025,27.45 cw(c74.175,27.45) 74.325,27.45 74.325,26.75 ccw(c74.475,26.75) 74.625,26.75 74.625,27.45 cw(c74.775,27.45) 74.925,27.45 74.925,26.75 ccw(c75.075,26.75) 75.225,26.75 75.225,27.45 cw(c75.375,27.45) 75.525,27.45 75.525,26.75 ccw(c75.675,26.75) 75.825,26.75 75.825,27.45 cw(c75.975,27.45) 76.125,27.45 76.125,26.75 ccw(c76.275,26.75) 76.425,26.75 76.425,27.45 cw(c76.575,27.45) 76.725,27.45 76.725,26.75 ccw(c76.875,26.75) 77.025,26.75 77.025,27.45 cw(c77.175,27.45) 77.325,27.45 77.325,26.75 ccw(c77.475,26.75) 77.625,26.75 77.625,27.45 cw(c77.775,27.45) 77.925,27.45 77.925,26.75 ccw(c78.075,26.75) 78.225,26.75 78.225,27.45 cw(c78.375,27.45) 78.525,27.45 78.525,26.75 ccw(c78.675,26.75) 78.825,26.75 78.825,27.45 cw(c78.975,27.45) 79.125,27.45 79.125,26.75 ccw(c79.275,26.75) 79.425,26.75 79.425,27.45 cw(c79.575,27.45) 79.725,27.45 79.725,26.75 ccw(c79.875,26.75) 80.025,26.75 80.025,27.45 cw(c80.175,27.45) 80.325,27.45 80.325,26.75 ccw(c80.475,26.75) 80.625,26.75 80.625,27.45 cw(c80.775,27.45) 80.925,27.45 80.925,26.75 ccw(c81.075,26.75) 81.225,26.75 81.225,27.45 cw(c81.375,27.45) 81.525,27.45 81.525,27.295 ccw(c81.675,27.295) 81.825,27.295 81.825,27.35 cw(c81.975,27.35) 81.975,27.5 82.1,27.5 82.448,27.848 83.35,28.75 84.463,28.75 84.477,28.736 84.837,28.736 84.851,28.75 J2.13@86.5,28.75 87.65,28.75 88.554,27.846 89.819,27.846 90.829,28.857 v1(90.829,28.86)